# Altium PCB Notecarrier-XI_V4.PcbDoc (part 1 of 2) (continued)
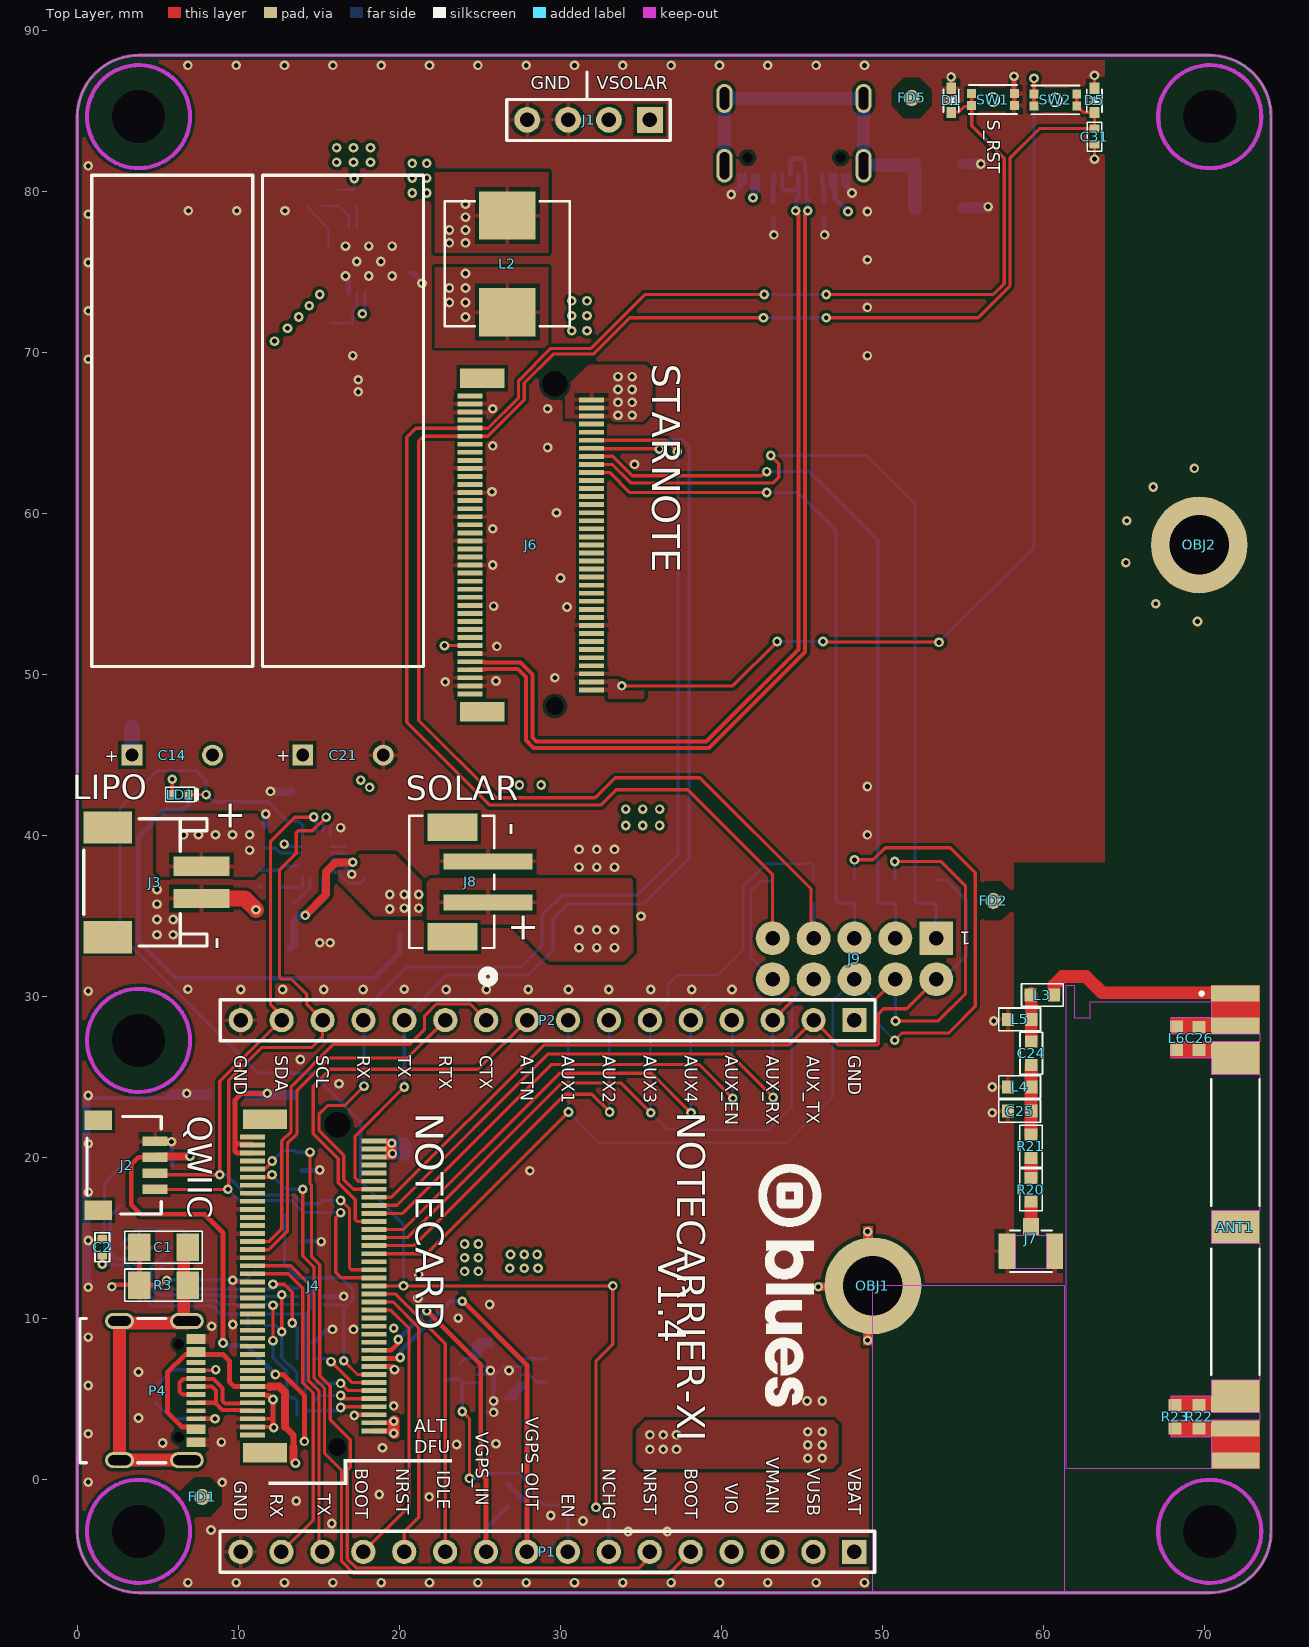
[diagram p0: Top Layer view]
## Footprints (in the part's own frame and the unit in brackets; to place one, negate y for a bottom-side part, rotate by r counter-clockwise, add the part's x,y. Pads: shape width x height; smd on the part's side, far side on the other; paste and mask are expansions set on the pad)
BCAP0010P300X12 [mm]
  rect 1.3x1.3 hole 0.8: 1(0,0)
  round 1.3 hole 0.8: 2(5,0)
  silkscreen extent -2.5,5.5 7.5,36, body extent -2.52,-0.4 7.47,35.5, height 10.2
C-0402 [mm] "Chip Capacitor; Body 1 x 0.5 mm (LxW typ)"
  rect 0.5x0.6 smd paste-0.025 mask+0.05: 1(-0.5,0) 2(0.5,0)
  silkscreen extent -0.9,-0.45 0.9,0.45, body extent -0.5,-0.27 0.5,0.29, height 0.5
C-0603 [mm]
  rect 0.75x0.8 smd paste-0.025: 1(-0.725,0) 2(0.725,0)
  silkscreen extent -1.3,-0.7 1.3,0.7, body extent -0.8,-0.48 0.8,0.44, height 0.8
C-0805 [mm]
  rect 0.9x1.2 smd paste-0.025: 1(-0.95,0) 2(0.95,0)
  silkscreen extent -1.6,-0.8 1.6,0.8, body extent -1,-0.6 1,0.6, height 0.94
C-1206 [mm]
  rect 1.4x1.7 smd paste-0.025 mask+0.08: 1(-1.5,0) 2(1.5,0)
  silkscreen extent -2.4,-1 2.4,1, body extent -1.65,-0.8 1.55,0.8, height 1.05
CONN2_B2B-PH-SM4_JST [mil]
  rect 39x217 smd paste+0: 1(-50,-88.74) 2(50,-88.74)
  rect 67x122 smd paste-61: M(-133.86,-1.85) M(133.86,-1.85)
  silkscreen extent -246,-104 162,104, body extent -156,-175 157,101, height 266
"CONN S2B-PH-SM4" [mm] "2.00 mm pitch wire to board side entry connector, SMD"
  rect 1.2x3.5 smd: 1(1,-2.75) 2(-1,-2.75)
  rect 2x3 smd: M(-3.4,3.063) M(3.4,3.063)
  silkscreen extent -3.95,-3.1 3.95,4.56, body extent -4,-4.05 3.9,4.55, height 5.6
CONN_12402012E212A [mm] "Amphenol USB C receptacle"
  round 0 hole 0.65 unplated: 0(-2.89,1.308) 0(2.89,1.308)
  rect 0.3x1.15 smd: A1(-3.35,2.373) A4(-2.55,2.373) A5(-1.25,2.373) A6(-0.25,2.373) A7(0.25,2.373) A8(1.25,2.373) A9(2.55,2.373) A12(3.35,2.373) B1(3.05,2.373) B4(2.25,2.373) B5(1.75,2.373) B6(0.75,2.373) B7(-0.75,2.373) B8(-1.75,2.373) B9(-2.25,2.373) B12(-3.05,2.373)
  oval 1x2.1 hole 0.6 slot 1.7 at 90 deg: M(-4.32,1.808) M(4.32,1.808)
  oval 1x2.1 smd: M(-4.32,1.808) M(4.32,1.808)
  oval 1x1.8 hole 0.6 slot 1.4 at 90 deg: M(-4.32,-2.372) M(4.32,-2.372)
  oval 0.6x1.4 smd: M(-4.32,-2.372)
  oval 1x1.8 smd: M(-4.32,-2.372) M(4.32,-2.372)
  silkscreen extent -4.48,-4.83 4.48,0.5, body extent -4.47,-4.98 4.47,2.62, height 3.32
DFN50P200X300x75-8T180X165 [mm] "DFN, 8-Leads, Body 3x2mm, Pitch 0.5mm"
  rrect50% 0.6x0.25 smd mask+0.05: 1(-1.4,0.75) 2(-1.4,0.25) 3(-1.4,-0.25) 4(-1.4,-0.75) 5(1.4,-0.75) 6(1.4,-0.25) 7(1.4,0.25) 8(1.4,0.75)
  rect 1.8x1.65 smd paste-5 mask+0.05: 9(0,0)
  silkscreen extent -1.85,-1.05 1.5,1.22, body extent -1.55,-1 1.55,1, height 1
DIO_DFLS1100-7 [mm]
  rect 1.05x1.5 smd: A(1.525,0)
  rect 2.4x1.5 smd: K(-0.85,0)
  silkscreen extent -2.9,-1.07 1.4,1.07, body extent -1.85,-0.89 1.85,0.89, height 1
DIO_FSV1045V [mil]
  rect 55x57 smd paste+0 mask+0: 1(41.34,-110.5) 2(-41.34,-110.5)
  rect 165x221 smd paste+0 mask+0: 3(0,34.5)
  silkscreen extent -96,-126 96,241, body extent -91,-131 91,131, height 49
DIST-WASMSIM0250#1 [mm]
  round 6 / inner round 1.524 / far side round 6 hole 3.7: 1(-0.019,0)
  round 6 smd paste-10: 1(0,0)
  body extent -2.55,-2.55 2.55,2.55, height 2.5
DIST-WASMSIM0250#2 [mm]
  round 6 / inner round 1.524 / far side round 6 hole 3.7: 1(0,0)
  round 6 smd paste-10: 1(0,0)
  body extent -2.55,-2.55 2.55,2.55, height 2.5
"Fiducial mark 1mm" [mm] "1 mm diameter"
  round 1 smd paste+0 mask+0.6: 1(0,0)
  Top Layer pour cut-out: -1.25,0.5 -0.5,1.25 0.5,1.25 1.25,0.5 1.25,-0.5 0.5,-1.25 -0.5,-1.25 -1.25,-0.5
"HEADER 2.54MM 1X4" [mm]
  rect 1.6x1.6 hole 0.9: 1(0,0)
  round 1.6 hole 0.9: 2(2.54,0) 3(5.08,0) 4(7.62,0)
  silkscreen extent -1.27,-1.27 8.89,1.27, body extent -1.22,-1.21 8.94,1.33, height 8.57
"Header 2.54mm 1X16" [mm] "2.54mm pitch single row wire to board connector"
  rect 1.5x1.5 hole 0.9: 1(0,0)
  round 1.5 hole 0.9: 2(2.54,0)
  round 1.5 hole 0.9 mask+0.05: 3(5.08,0) 4(7.62,0) 5(10.16,0) 6(12.7,0) 7(15.24,0) 8(17.78,0) 9(20.32,0) 10(22.86,0) 11(25.4,0) 12(27.94,0) 13(30.48,0) 14(33.02,0) 15(35.56,0) 16(38.1,0)
  silkscreen extent -1.27,-1.27 39.37,1.27, body extent -1.27,-1.28 39.37,1.26, height 8.54
HRS_U.FL-R-SMT-1(10) [mm]
  rect 1.05x2.2 smd: 1(-1.475,0) 3(1.475,0)
  rect 1x1.05 smd: 2(0,-1.525)
  Keep-Out Layer region: 0.95,-1 -0.95,-1 -0.95,1.1 0.95,1.1
  silkscreen extent -1.3,-1.3 1.3,1.3, body extent -1.55,-1.88 1.55,1.12, height 1.25
IND_SRP7050_BRN [mm]
  rect 3x3.5 smd paste+0 mask+0: 1(-3,0) 2(3,0)
  silkscreen extent -3.87,-3.87 3.87,3.87, body extent -4.1,-3.75 4.1,3.75, height 5.41
IND_XFL4020 [mm]
  rect 0.98x3.4 smd mask+0.05: 1(-1.185,0) 2(1.185,0)
  Top Layer pour cut-out: -0.7,-1.7 0.7,-1.7 0.7,1.7 -0.7,1.7
  silkscreen extent -2.15,-2.15 2.15,2.15, body extent -2.15,-2.15 2.15,2.15, height 2.11
J-5X2-0254-MDT [mm] "J-5X2-0254-MDT"
  rect 2.1x2.1 hole 0.9: 1(0,0)
  round 2.1 hole 0.9: 2(0,2.54) 3(2.54,0) 4(2.54,2.54) 5(5.08,0) 6(5.08,2.54) 7(7.62,0) 8(7.62,2.54) 9(10.16,0) 10(10.16,2.54)
  body extent -1.27,-1.27 11.43,3.81, height 8.51
"J-75-0050-MOS-M2 - STARNOTEIV3" [mm]
  rect 0.3x1.55 smd: 1(-9.25,3.775) 2(-9,-3.775) 3(-8.75,3.775) 4(-8.5,-3.775) 5(-8.25,3.775) 6(-8,-3.775) 7(-7.75,3.775) 8(-7.5,-3.775) 9(-7.25,3.775) 10(-7,-3.775) 11(-6.75,3.775) 12(-6.5,-3.775) 13(-6.25,3.775) 14(-6,-3.775) 15(-5.75,3.775) 16(-5.5,-3.775) 17(-5.25,3.775) 18(-5,-3.775) 19(-4.75,3.775) 20(-4.5,-3.775) 21(-4.25,3.775) 22(-4,-3.775) 23(-3.75,3.775) 24(-3.5,-3.775) 25(-3.25,3.775) 26(-3,-3.775) 27(-2.75,3.775) 28(-2.5,-3.775) 29(-2.25,3.775) 30(-2,-3.775) 31(-1.75,3.775) 32(-1.5,-3.775) 33(-1.25,3.775) 34(-1,-3.775) 35(-0.75,3.775) 36(-0.5,-3.775) 37(-0.25,3.775) 38(0,-3.775) 39(0.25,3.775) 40(0.5,-3.775) 41(0.75,3.775) 42(1,-3.775) 43(1.25,3.775) 44(1.5,-3.775) 45(1.75,3.775) 46(2,-3.775) 47(2.25,3.775) 48(2.5,-3.775) 49(2.75,3.775) 50(3,-3.775) 51(3.25,3.775) 52(3.5,-3.775) 53(3.75,3.775) 54(4,-3.775) 55(4.25,3.775) 56(4.5,-3.775) 57(4.75,3.775) 58(5,-3.775) 59(5.25,3.775) 60(5.5,-3.775) 61(5.75,3.775) 62(6,-3.775) 63(6.25,3.775) 64(6.5,-3.775) 65(6.75,3.775) 66(7,-3.775) 67(7.25,3.775) 68(7.5,-3.775) 69(7.75,3.775) 70(8,-3.775) 71(8.25,3.775) 72(8.5,-3.775) 73(8.75,3.775) 74(9,-3.775) 75(9.25,3.775)
  round 0 hole 1.1 unplated: AH(-10,-1.5)
  round 0 hole 1.6 unplated: AH(10,-1.5)
  rect 1.2x2.75 smd: ""(-10.35,3) ""(10.35,3)
  body extent -20.99,-41.93 28.32,4.22
"J-75-0050-MOS-M2 - TELITWIFIV2" [mm]
  rect 0.3x1.55 smd: 1(-9.25,3.775) 2(-9,-3.775) 3(-8.75,3.775) 4(-8.5,-3.775) 5(-8.25,3.775) 6(-8,-3.775) 7(-7.75,3.775) 8(-7.5,-3.775) 9(-7.25,3.775) 10(-7,-3.775) 11(-6.75,3.775) 12(-6.5,-3.775) 13(-6.25,3.775) 14(-6,-3.775) 15(-5.75,3.775) 16(-5.5,-3.775) 17(-5.25,3.775) 18(-5,-3.775) 19(-4.75,3.775) 20(-4.5,-3.775) 21(-4.25,3.775) 22(-4,-3.775) 23(-3.75,3.775) 24(-3.5,-3.775) 25(-3.25,3.775) 26(-3,-3.775) 27(-2.75,3.775) 28(-2.5,-3.775) 29(-2.25,3.775) 30(-2,-3.775) 31(-1.75,3.775) 32(-1.5,-3.775) 33(-1.25,3.775) 34(-1,-3.775) 35(-0.75,3.775) 36(-0.5,-3.775) 37(-0.25,3.775) 38(0,-3.775) 39(0.25,3.775) 40(0.5,-3.775) 41(0.75,3.775) 42(1,-3.775) 43(1.25,3.775) 44(1.5,-3.775) 45(1.75,3.775) 46(2,-3.775) 47(2.25,3.775) 48(2.5,-3.775) 49(2.75,3.775) 50(3,-3.775) 51(3.25,3.775) 52(3.5,-3.775) 53(3.75,3.775) 54(4,-3.775) 55(4.25,3.775) 56(4.5,-3.775) 57(4.75,3.775) 58(5,-3.775) 59(5.25,3.775) 60(5.5,-3.775) 61(5.75,3.775) 62(6,-3.775) 63(6.25,3.775) 64(6.5,-3.775) 65(6.75,3.775) 66(7,-3.775) 67(7.25,3.775) 68(7.5,-3.775) 69(7.75,3.775) 70(8,-3.775) 71(8.25,3.775) 72(8.5,-3.775) 73(8.75,3.775) 74(9,-3.775) 75(9.25,3.775)
  round 0 hole 1.1 unplated: AH(-10,-1.5)
  round 0 hole 1.6 unplated: AH(10,-1.5)
  rect 1.2x2.75 smd: ""(-10.35,3) ""(10.35,3)
  body extent -15.01,-41.95 14.99,4.21, height 5.6
J-NANOSIM-SF72S006VBA [mm]
  rect 0.9x0.7 smd: 1(1.46,-4.05) 2(-0.98,-4.05) 3(-3.42,-4.05) 5(1.56,-0.88) 6(-0.98,-0.88) 7(-3.52,-0.88)
  rect 0.45x2.9 smd: 8(-5.575,-4.75) 17(5.6,-4.75)
  rect 0.45x1.9 smd: 9(-5.575,0.1) 16(5.6,0.1)
  rect 0.7x0.7 smd: 10(-5.25,2.45)
  rect 0.75x0.7 smd: 11(-5.075,4.25)
  rect 1.4x0.5 smd: 12(-3.18,7.2) 14(1.22,7.2)
  rect 1.2x0.65 smd: 13(-1.53,6.125)
  rect 0.45x2.4 smd: 15(5.6,5.25)
  rect 0.6x0.6 smd: 18(0.24,-5.9) 19(-2.2,-5.9)
  Top Layer pour cut-out: 5.6,-6.65 -5.6,-6.65 -5.6,7.7 5.6,7.7
  silkscreen extent -5.8,-6.85 5.8,7.9, body extent -5.58,-7.43 5.64,7.62, height 1.25
"JST SM04B-SRSS-TB" [mm] "1.0mm pitch/Disconnectable Crimp style connector"
  rect 0.6x1.55 smd: 1(1.5,-2.032) 2(0.5,-2.032) 3(-0.5,-2.032) 4(-1.5,-2.032)
  rect 1.2x1.7 smd: M(-2.8,1.5) M(2.8,1.5)
  silkscreen extent -3.03,-2.41 3.03,2.2, body extent -3,-2.38 3,2.57, height 2.95
L-0603 [mm]
  rect 0.75x0.8 smd paste-0.025: 1(-0.725,0) 2(0.725,0)
  silkscreen extent -1.3,-0.7 1.3,0.7, body extent -0.8,-0.4 0.8,0.4, height 0.9
LED-0402 [mm]
  rect 0.5x0.6 smd paste-0.025 mask+0.05: 1(0.5,0) 2(-0.5,0)
  silkscreen extent -1.11,-0.45 0.9,0.45, body extent -0.5,-0.3 0.5,0.3, height 0.2
MN_0402_0603 [mm]
  rect 0.75x0.8 smd paste-0.025: 1(-0.725,0) 2(0.725,0)
  silkscreen extent -1.3,-0.7 1.3,0.7, body extent -0.8,-0.4 0.8,0.4, height 0.38
QFN40P300X150X80-18N [mm]
  rrect50% 0.775x0.2 smd mask+0.05: 1(-1.313,0.85) 5(-1.313,-0.85)
  rrect50% 0.2x0.7 smd mask+0.05: 1(-1.025,1.1) 5(-1.025,-1.1) 10(0.975,-1.1) 14(0.975,1.1)
  rrect50% 0.625x0.2 smd mask+0.05: 2(-1.388,0.393) 3(-1.388,-0.007) 4(-1.388,-0.407)
  rrect50% 0.2x0.6 smd mask+0.05: 6(-0.625,-1.15) 7(-0.225,-1.15)
  rrect50% 0.2x1 smd mask+0.05: 8(0.175,-0.95) 9(0.575,-0.95) 15(0.575,0.951) 16(0.175,0.951) 17(-0.225,0.951)
  rrect50% 0.825x0.2 smd mask+0.05: 10(1.288,-0.85) 14(1.288,0.85)
  rrect50% 0.6x0.2 smd mask+0.05: 11(1.4,-0.407) 12(1.4,-0.007) 13(1.4,0.393)
  rrect50% 0.2x0.619 smd mask+0.05: 18(-0.625,1.141)
  silkscreen extent -1.65,-1.4 1.65,1.4, body extent -1.5,-1.26 1.51,1.26, height 0.75
QFN50P400X500X80-21N-D [mm]
  rect 0.8x0.3 smd: 1(-2,1.25) 2(-2,0.75) 3(-2,0.25) 4(-2,-0.25) 5(-2,-0.75) 6(-2,-1.25) 11(2,-1.25) 12(2,-0.75) 13(2,-0.25) 14(2,0.25) 15(2,0.75) 16(2,1.25)
  rect 0.3x0.8 smd: 7(-0.75,-2.5) 8(-0.25,-2.5) 9(0.25,-2.5) 10(0.75,-2.5) 17(0.75,2.5) 18(0.25,2.5) 19(-0.25,2.5) 20(-0.75,2.5)
  rect 2.75x3.75 smd: 21(0,0)
  silkscreen extent -2.52,1.88 -2.28,2.13, body extent -2.05,-2.55 2.05,2.55, height 0.8
R-0402 [mm] "Chip Resistor; Body 1 x 0.5 mm (LxW typ)"
  rect 0.5x0.6 smd paste-0.025 mask+0.05: 1(-0.5,0) 2(0.5,0)
  silkscreen extent -0.9,-0.45 0.9,0.45, body extent -0.5,-0.25 0.5,0.25, height 0.38
R-0603 [mm]
  rect 0.75x0.8 smd paste-0.025: 1(-0.725,0) 2(0.725,0)
  silkscreen extent -1.3,-0.7 1.3,0.7, body extent -0.8,-0.4 0.8,0.4, height 0.38
R-1206 [mm]
  rect 1.4x1.7 smd paste-0.025 mask+0.08: 1(-1.5,0) 2(1.5,0)
  silkscreen extent -2.4,-1 2.4,1, body extent -1.55,-0.8 1.55,0.8, height 0.65
SOD-523F [mm] "SOD-523F"
  rect 0.7x0.6 smd mask+0.05: 1(-0.75,0) 2(0.75,0)
  silkscreen extent -0.7,-0.47 0.75,0.47, body extent -0.8,-0.4 0.8,0.4, height 0.7
SOT666 [mm]
  rect 0.3x0.99 smd: 1(-0.5,-0.805) 2(0,-0.805) 3(0.5,-0.805) 4(0.5,0.805) 5(0,0.805) 6(-0.5,0.805)
  silkscreen extent -1.1,-1.7 0.7,0, body extent -0.79,-0.8 0.8,0.8, height 0.6
SW_EVP-BB2A9B000 [mm] "SWITCH TACTILE SPST-NO 0.02A 15V SMD"
  rect 0.55x0.55 smd mask+0.1: 1(-1.325,-0.375) 1(-1.325,0.375) 2(1.325,-0.375) 2(1.325,0.375)
  Top Layer pour cut-out: -0.95,0.75 0.95,0.75 0.95,-0.75 -0.95,-0.75
  silkscreen extent -1.5,-0.9 1.5,0.9, body extent -1.5,-0.9 1.5,0.9, height 0.51
XCVR_NN03-310 [mm]
  rect 1x3 smd paste-3 mask+0: 1(-14.5,0) 2(-12.5,0) 6(12.5,0) 7(14.5,0)
  rect 2x3 smd paste-3 mask+0: 3(-10.5,0) 5(10.5,0)
  rect 2x3 smd: 4(0,0)
  Top Layer region: -9.5,-1.5 -10.5,-1.5 -10.5,-4 -11.5,-4 -11.5,1.5 -9.5,1.5
  Top Layer region: 11.5,-4 10.5,-4 10.5,-1.5 9.5,-1.5 9.5,1.5 11.5,1.5
  Top Layer region: 15,-1.5 13,-1.5 13,-4 12,-4 12,1.5 15,1.5
  Top Layer region: -12,-4 -13,-4 -13,-1.5 -15,-1.5 -15,1.5 -12,1.5
  Keep-Out Layer region: 12,-4 13,-4 13,-1.5 15,-1.5 15,-10.5 -15,-10.5 -15,-10 -13,-10 -13,-9 -14,-9 -14,-1.5 -13,-1.5 -13,-4 -12,-4 -12,1.5 -11.5,1.5 -11.5,-4 -10.5,-4 -10.5,-1.5 -9.5,-1.5 -9.5,1.5 -1,1.5 -1,-1.5 1,-1.5 1,1.5 9.5,1.5 9.5,-1.5 10.5,-1.5 10.5,-4 11.5,-4 11.5,1.5 12,1.5
  silkscreen extent -14.6,-2.2 9.18,1.5, body extent -15,-1.5 15,1.5, height 1.01

## Part data
ANT1: "Multiport top performance chip antenna component for GSM, UMTS, LTE, 5G, GNSS, Bluetooth (617 - 960MHz, 1710 - 2690MHz, 3300 - 3800MHz, 1561 - 1606 MHz and 2400 - 2500 MHz), signal booster", Manufacturer=IGNION, Package=-, Check_prices=https://www.snapeda.com/parts/NN03-310/Ignion/view-part/?ref=eda, Manufacturer Part Number=NN03-310, MF=Ignion, MP=NN03-310, Pkg Type=SMD, SnapEDA_Link=https://www.snapeda.com/parts/NN03-310/Ignion/view-part/?ref=snap
C1 C17: library part "C1206-10n-1000V-X7R - CS1206KKX7RCBB103", "Capacitor ceramic 10n ±10% X7R 1000V 1206", BL Part Number=2007-449, Manufacturer=YAGEO, Manufacturer Part Number=CS1206KKX7RCBB103, Supplier Part Number 1=311-3578-1-ND, Checked_By=Marsic, DateModified=03-05-2023, Drawn_By=Hamin, Supplier 1=Digi-Key
C2 C7: library part C0402-100n-16V-X7R, "Capacitor ceramic 100n ±10% X7R 16V 0402", BL Part Number=2000-908, Manufacturer="Murata Electronics", Manufacturer Part Number=GRM155R71C104KA88D, Package=0402, Supplier Part Number 1=490-3261-1-ND, Checked_By=Dodig, DateModified=27-08-2013, Drawn_By=Puskar, Pkg Type=SMD, Supplier 1=Digi-Key
C3 C4 C5: library part C0402-33p-50V-C0G-5, "Capacitor ceramic 33p ±5% C0G 50V 0402", BL Part Number=2001-377, Manufacturer="Samsung Electro-Mechanics", Manufacturer Part Number=CL05C330JB5NNNC, Package=0402, Supplier Part Number 1=1276-1272-1-ND, Checked_By=Dodig, DateModified=24-11-2013, Drawn_By=Puskar, Pkg Type=SMD, Supplier 1=Digi-Key
C6 C8: library part C0805-22u-16V-X5R, "Capacitor ceramic 22u ±10% X5R 16V 0805", BL Part Number=2006-222, Manufacturer="Samsung Electro-Mechanics", Manufacturer Part Number=CL21A226KOQNNNG, Package=0805, Checked_By=Hamin, DateModified=28-07-2022, Drawn_By=Fumic, Pkg Type=SMD
C9 C12: library part C1206-10u-35V-X7R, "Capacitor ceramic 10u ±10% X7R 35V 1206", Manufacturer="Taiyo Yuden", Manufacturer Part Number=GMK316AB7106KL-TR, Package=1206, Pkg Type=SMD, Supplier 1=Digi-Key
C10: library part C0402-47n-50V-X7R, "Capacitor ceramic 47n 10% X7R 50V 0402", BL Part Number=2003-965, Manufacturer=YAGEO, Manufacturer Part Number=CC0402KRX7R9BB473, Package=0402, Supplier Part Number 1=311-3815-2-ND, Checked_By=Hamin, DateModified=08-05-2018, Drawn_By=Hlupic, Pkg Type=SMD, Supplier 1=Digi-Key
C11: library part C0603-100n-50V-X7R, "Capacitor ceramic 100n ±10% X7R 50V 0603", Manufacturer=KEMET, Manufacturer Part Number=C0603C104K5RACTU, Package=0603, Pkg Type=SMD
C13 C15 C16 C18 C19 C20 C22: library part C1206-10u-16V-X7R, "Capacitor ceramic 10u ±10% X7R 16V 1206", BL Part Number=2000-447, Manufacturer="Samsung Electro-Mechanics", Manufacturer Part Number=CL31B106KOHNNNE, Package=1206, Supplier Part Number 1=1276-1137-1-ND, Checked_By=Zvonc, DateModified=04-07-2013, Drawn_By=Dodig, Pkg Type=SMD, Supplier 1=Digi-Key
C14 C21: "10 F  Capacitor 3 V Radial, Can 25mOhm", Manufacturer="Maxwell Technologies", Manufacturer Part Number="BCAP0010 P300 X12", Mouser Part Number=723-BCAP0010P300X12, Geometry.Height=10.5mm, Mouser Price/Stock=https://www.mouser.co.uk/ProductDetail/Maxwell-Technologies/BCAP0010-P300-X12?qs=hzBznG4dWXUp87%2FIMp%252BJ8w%3D%3D, Pkg Type=THT
C23: library part C0402-220p-50V-C0G-5, "Capacitor ceramic 220p ±5% C0G 50V 0402", Manufacturer="Murata Electronics", Manufacturer Part Number=GRM1555C1H221JA01D, Package=0402, Pkg Type=SMD
C24: library part MN_C0402_0603-2.2p-50V-C0G, "Capacitor ceramic 2.2p ±5% C0G 50V 0402", Manufacturer=Murata, Manufacturer Part Number=GJM1555C1H2R2WB01D
C25: library part MN_C0402_0603-1p-50V-C0G, "Capacitor ceramic 1p ±5% C0G 50V 0402", Manufacturer=Murata, Manufacturer Part Number=GJM1555C1H1R0WB01J
C26: library part MN_C0402_0603-0.5p-50V-C0G, "Capacitor ceramic 0.5p ±5% C0G 50V 0402", Manufacturer=Murata, Manufacturer Part Number=GJM1555C1HR50WB01D
C27 C30: library part C0603-4u7-10V-X5R, "Capacitor ceramic 4u7 ±10% X5R 10V 0603", BL Part Number=2003-721, Manufacturer="Samsung Electro-Mechanics", Manufacturer Part Number=CL10A475KP8NNNC, Package=0603, Checked_By=Marsic, DateModified=19-06-2023, Drawn_By=Hamin, Pkg Type=SMD
C28: library part C0805-10u-25V-X5R, "Capacitor ceramic 10u ±20% X5R 25V 0805", BL Part Number=2004-293, Manufacturer="Murata Electronics", Manufacturer Part Number=GRM21BR61E106MA73L, Package=0805, Supplier Part Number 1=490-10748-1-ND, Checked_By=Hamin, DateModified=23-01-2019, Drawn_By=Hlupic, Pkg Type=SMD, Supplier 1=Digi-Key
C29: library part C0402-100n-25V-X5R, "Capacitor ceramic 100n ±10% X5R 25V 0402", BL Part Number=2004-296, Manufacturer="Samsung Electro-Mechanics", Manufacturer Part Number=CL05A104KA5NNNC, Package=0402, Supplier Part Number 1=1276-1043-1-ND, Checked_By=Hamin, DateModified=24-01-2019, Drawn_By=PuskarJ, Pkg Type=SMD, Supplier 1=Digi-Key
C31: library part C0402-100n-16V-X7R, "Capacitor ceramic 100n ±10% X7R 16V 0402", Manufacturer=KEMET, Manufacturer Part Number=C0603C104K5RACTU, Package=0603, Pkg Type=SMD
D1 D5: "TVS DIODE 5VWM 8VC SOD523", BL Part Number=2004-110, Manufacturer=Nexperia, Supplier Part Number 1=1727-5906-1-ND, Checked_By=Hamin, DateModified=17-10-2018, Drawn_By=Zvonc, Manufacturer Part Number=PESD5V0X1UB,135, Supplier 1=Digi-Key
D2: "Diode Schottky 10A 45V TO2773", Manufacturer=onsemi, Package=TO-2773, Manufacturer Part Number=FSV1045V, Pkg Type=SMD
D3 D4: "Diode Schottky 1A 100V PowerDI 123", Manufacturer="Diodes Inc.", Package=POWERDI123, Manufacturer Part Number=DFLS1100-7, Pkg Type=SMD
FD1 FD2 FD3 FD4 FD5 FD6: BL Part Number=N/A, Checked_By=Dodig, DateModified=17-06-2013, Drawn_By=Puskar, Manufacturer=N/A, Manufacturer Part Number=N/A
J1: library part "Conn Header 2.54mm 1X4", "2.54mm pitch 4 pin (1x4) top entry wire to board connector THT", BL Part Number=2001-524, Manufacturer=N/A, Checked_By=Dodig, DateModified=29-01-2024, Drawn_By=Puskar, Manufacturer Part Number=N/A
J2: "CONN HEADER SH 4POS SIDE 1MM TIN", BL Part Number=2002-058, Manufacturer="JST Sales America Inc.", Supplier Part Number 1=455-1804-1-ND, Drawn_By="Blues Wireless", Manufacturer Part Number=SM04B-SRSS-TB(LF)(SN), Supplier 1=Digi-Key
J3: library part "Conn S2B-PH-SM4-K-TB", "2.00mm pitch 2 pin side entry wire to board connector, SMD", BL Part Number=2007-662, Manufacturer=JST, Manufacturer Part Number=S2B-PH-SM4-K-TB(LF)(SN), DateModified=19-06-2023, Drawn_By=Hamin, Supplier 1=Digi-Key
J4: library part TELITWIFIV2, "CONN. M.2 75P M/90° P=0.5 MDT420E01001 AMPHENOL SMT", BL Part Number=2007-460, Manufacturer="Amphenol ICC (FCI)", Manufacturer Part Number=MDT420E03001, Supplier Part Number 1=MDT420E03001CT-ND, Drawn_By="Blues Wireless", Supplier 1=Digi-Key
J5: library part "NANOSIM - J-NANOSIM-SF72S006VBA", "CONN. NANOSIM 8P F/90° PUSH-PUSH SF72S006VBAR2500 JAE ELECTRONICS SMT", BL Part Number=2007-458, Manufacturer="JAE Electronics", Supplier Part Number 1=670-2967-1-ND, Drawn_By="Blues Wireless", Manufacturer Part Number=SF72S006VBDR2500, Supplier 1=Digi-Key
J6: library part STARNOTEI-V3, "CONN. M.2 75P M/90° P=0.5 MDT420E01001 AMPHENOL SMT", BL Part Number=2007-460, Manufacturer="Amphenol ICC (FCI)", Manufacturer Part Number=MDT420E03001, Supplier Part Number 1=MDT420E03001CT-ND, Drawn_By="Blues Wireless", Supplier 1=Digi-Key
J7: "U.FL Series 6 Ghz 50 Ohm Ultra-small SMT Coaxial Cable Receptacle", Manufacturer=Hirose, Package=-, Availability=Unavailable, Manufacturer Part Number=U.FL-R-SMT-1(10), Pkg Type=SMD, Price=None
J8: library part "Conn B2B-PH-SM4-TBT (LF)(SN)", "CONN HEADER SH 2POS VERT 2MM TIN", Manufacturer="JST Sales America Inc.", Manufacturer Part Number=B2B-PH-SM4-TBT, Pkg Type=SMD
J9: library part STRIP-J-5X2-0254-MDT, "STRIP 2P M/D DOPPIA FILA P=2.54 DORATO CH81802V100", Manufacturer=Samtec, MPN=TSW-105-07-F-D, Caratteristiche=5x2P, Database=01688, Distributor=FAE, Famiglia=CONNETTORE, Modello=STRIP, Pkg Type=THT, Price Distributor Cad=0,002
L1: library part "L0603-1u-20 MCKK1608T1R0MN", "Inductor 0603 1u ±20% 1.3A", BL Part Number=2003-989, Manufacturer="Taiyo Yuden", Supplier Part Number 1=587-5973-1-ND, Checked_By=Hlupic, DateModified=30-01-2020, Drawn_By=Fumic, Manufacturer Part Number=MCKK1608T1R0MN, Supplier 1=Digi-Key
L2: "3.3 µH Inductor Shielded 11.5 A 15mohm max", Manufacturer="Bourns Electronics", Package="7.90mm x 7.30mm", Manufacturer Part Number=SRP7050WA-3R3M, Pkg Type=SMD, Type="Fixed Inductors"
L3: library part MN_L0402_0603-2.3nH, "2.3 nH Inductor 2.53 A 22mOhm Max 0402", Manufacturer=Murata, Manufacturer Part Number=LQW15AN2N3G80D
L4: library part MN_L0402_0603-10nH, "10 nH Inductor 1.6 A 52mOhm Max 0603", Manufacturer=Murata, Manufacturer Part Number=LQW18AN10NG80D
L5: library part MN_L0402_0603-8.4nH, "8.4 nH Inductor 1.6 A 52mOhm Max 0603", Manufacturer=Murata, Manufacturer Part Number=LQW18AN8N4G80D
L6: library part MN_L0402_0603-12nH, "12 nH Inductor 1.6 A 52mOhm Max 0603", Manufacturer=Murata, Manufacturer Part Number=LQW18AN12NG80D
L7: library part "Inductor XFL4020-152MEC", "Inductor 1u5 ±20% 4.6A SMD", BL Part Number=2006-846, Manufacturer=Coilcraft, Checked_By=Hlupic, DateModified=29-09-2022, Drawn_By=Marsic, Manufacturer Part Number=XFL4020-152MEC, Pkg Type=SMD
LD1: library part LED_SML-P12WTT86R, "LED YELLOW CLEAR 0402 SMD", BL Part Number=2007-660, Manufacturer="ROHM Semiconductor", Checked_By=Hamin, DateModified=19-06-23, Drawn_By=Hamin, Manufacturer Part Number=SML-P12WTT86R, Pkg Type=SMD
OBJ1 OBJ2: library part "DISTANZIALE - M2.5x0250", "DISTANZ. CIL. METALLO 5.1X2.5 9774025151R W.E SMT", BL Part Number=6020-113, Manufacturer="Würth Elektronik", Supplier Part Number 1=732-7078-1-ND, Drawn_By="Blues Wieless", Manufacturer Part Number=9774025151R, Supplier 1=Digi-Key
P1 P2: library part "Conn Header 2.54mm 1X16", "2.54mm pitch 16 pin (1x16) top entry wire to board connector THT", BL Part Number=2001-478, Manufacturer=N/A, Checked_By=Hamin, DateModified=07-12-2013, Drawn_By=Puskar, Manufacturer Part Number=N/A
P4 P5: library part "Conn USB C 12402012E212A", "CONN RCP USB2.0 TYP C 24P SMD RA", BL Part Number=2008-437, Manufacturer=Amphenol, Supplier Part Number 1=664-12402012E212ATR-ND, Checked_By=Hlupic, DateModified=19-03-2024, Drawn_By=Anic-Ivicic, Manufacturer Part Number=12402012E212A, Supplier 1=Digi-Key
R1 R2 R15 R16: library part R0402-5k1-1, "Resistor 5k1 ±1% 0402", BL Part Number=2004-098, Manufacturer=YAGEO, Manufacturer Part Number=RC0402FR-075K1L, Package=0402, Supplier Part Number 1=P5.10KLCT-ND, Checked_By=Hamin, DateModified=21-09-2018, Drawn_By=PuskarJ, Pkg Type=SMD, Supplier 1=Digi-Key
R3 R17: library part R1206-1M-1, "Resistor 1M ±1% 1206", BL Part Number=2001-438, Manufacturer="TE Connectivity Passive Product", Manufacturer Part Number=CRG1206F1M0, Package=1206, Checked_By=Golubic, DateModified=01-07-2014, Drawn_By=Zvonc, Pkg Type=SMD
R4 R10 R24 R25 R26 R27 R28: library part R0603-0R0, "Resistor 0R0 0603", BL Part Number=2000-723, Manufacturer=YAGEO, Manufacturer Part Number=RC0603JR-070RL, Package=0603, Checked_By=Puskar, DateModified=07-12-2013, Drawn_By=Dodig, Pkg Type=SMD
R5 R6 R8: library part R0402-22R-1, "Resistor 22R ±1% 0402", BL Part Number=2001-170, Manufacturer=YAGEO, Manufacturer Part Number=RC0402FR-0722RL, Package=0402, Supplier Part Number 1=311-22.0LRCT-ND, Checked_By=Hamin, DateModified=13-02-2021, Drawn_By=Zvonc, Pkg Type=SMD, Supplier 1=Digi-Key
R7 R32: library part R0402-15k-1, "Resistor 15k ±1% 0402", BL Part Number=2001-157, Manufacturer="Panasonic Electronic Components", Manufacturer Part Number=ERJ-2RKF1502X, Package=0402, Supplier Part Number 1=P15.0KLCT-ND, Checked_By=Zvonc, DateModified=23-01-2015, Drawn_By=Puskar, Pkg Type=SMD, Supplier 1=Digi-Key
R9: library part R0402-10M-1, "Resistor 10M ±1% 0402", BL Part Number=2002-832, Manufacturer=YAGEO, Manufacturer Part Number=RC0402FR-0710ML, Package=0402, Checked_By=Dodig, DateModified=24-05-2016, Drawn_By=Zvonc, Pkg Type=SMD, Supplier 1=Digi-Key, Supplier Part Number 1=RC0402FR-0710ML
R11 R14: library part R0402-100k-1, "Resistor 100k ±1% 0402", Manufacturer=YAGEO, Manufacturer Part Number=RC0402FR-07100KL, Package=0402, Pkg Type=SMD
R12: library part R0402-732k-1, "Resistor 732k ±1% 0402", Manufacturer=YAGEO, Manufacturer Part Number=RC0402FR-07732KL, Package=0402, Pkg Type=SMD
R18: library part R0402-7k32-1, "Resistor 7k32 ±1% 0402", Manufacturer=YAGEO, Manufacturer Part Number=RC0402FR-077K32L, Package=0402, Pkg Type=SMD, Supplier 1=Digi-Key
R19: library part R0402-135k-1, "Resistor 135k ±1% 0402", Manufacturer="KOA Speer Electronics, Inc.", Manufacturer Part Number=RN73H1ETTP1353F50, Package=0402, Pkg Type=SMD, Supplier 1=Digi-Key
R20 R21 R22 R23: library part MN_R0603-0R0, "Resistor 0R0 0603", Manufacturer=YAGEO, Manufacturer Part Number=RC0603JR-070RL, Pkg Type=SMD
R29 R30: library part R0402-3k-1, "Resistor 3k ±1% 0402", BL Part Number=2001-570, Manufacturer=YAGEO, Manufacturer Part Number=-, Package=0402, Checked_By=Hamin, DateModified=06-09-2021, Drawn_By=Fumic, Pkg Type=SMD
R31: library part R0402-11k-1, "Resistor 11k ±1% 0402", BL Part Number=2004-237, Manufacturer=N/A, Package=0402, Checked_By=Marsic, DateModified=18-12-2018, Drawn_By=PuskarJ, Manufacturer Part Number=N/A, Pkg Type=SMD
SW1 SW2: library part "Switch tact EVP-BB2A9B000", "SWITCH TACTILE SPST-NO 0.05A 15V", BL Part Number=2007-124, Manufacturer="Panasonic Electronic Components", DateModified=09-02-2023, Drawn_By=Marsic, Manufacturer Part Number=EVP-BB2A9B000
TVS1: "PESD Series 25 W 5 V Uni-Directional Fivefold ESD Protection Diode Array SOT-666", BL Part Number=2007-452, Manufacturer=Nexperia, Supplier Part Number 1=1727-5797-1-ND, Drawn_By="Blues Wireless", Manufacturer Part Number=PESD5V0L5UV,125, Supplier 1=Digi-Key
U1: "IC CON BUCK-BOOST ADJ 0.5A DFN-8", BL Part Number=2008-968, Manufacturer=Renesas, DateModified=19-11-2024, Drawn_By=Marsic, Manufacturer Part Number=ISL9122AIRNZ-T
U2: "IC REG BuckBoost Supercapacitor Charger and Balancer ADJ 3A 20QFN", Manufacturer="Analog Devices", Package=QFN20, Datasheet Link=https://www.analog.com/en/products/ltc3128.html, Geometry.Height=0.8mm, Manufacturer Part Number=LTC3128EUFD#PBF, Pkg Type=SMD
U3: "IC LI-ION CHARGE MGMT 16-QFN", BL Part Number=2008-206, Manufacturer="Texas Instruments", Supplier Part Number 1="296-BQ25628ERYKRCT-ND - Cut Tape (CT)", DateModified=17-01-2024, Drawn_By=Marsic, Manufacturer Part Number=BQ25628ERYKR, Pkg Type=SMD, Supplier 1=Digi-Key

## Free pads (board coordinates)
  round 0 hole 3.3 unplated: M(3.81,-3.19) M(3.81,27.29) M(3.81,84.64) M(70.305,84.64) M(70.305,-3.19)

## Via types
v1: diameter 0.6, hole 0.3, Top Layer to Bottom Layer, tented both sides, 352 vias
v2: diameter 0.6, hole 0.3, Top Layer to Bottom Layer, 10 vias

## Nets (pads, with @x,y where several pads share a name; then routed paths per layer and width w, separated by ;. In a path a pad name is that pad's centre, name@x,y a point inside that pad or via, vN(x,y) a via of type N, cw(c..) or ccw(c..) an arc to the next point about the centre after c; other vN are vias at no path point)
+VACT_GPS_IN: J4.22 P1.10 R4.1 | length 24.3
  Top Layer w0.3: J4.22@18.425,8.05 19.5,8.05 19.868,8.418 19.868,8.667 v1(19.926,8.724) ; v1(21.7,10.5) 25.05,7.15 25.05,0.4 25.38,0.07 P1.10@25.38,-4.46
  Bottom Layer w0.3: v1(19.926,8.724) 19.926,8.726 v1(21.7,10.5) ; P1.10@25.38,-4.46 25.38,-2.995 R4.1@26.7,-1.675
+VACT_GPS_OUT: J4.20 P1.9 R4.2 | length 29.2
  Top Layer w0.3: J4.20@18.425,7.55 20,7.55 v1(20.05,7.6) ; v1(23.9,11.1) 23.95,11.1 27.92,7.13 P1.9@27.92,-4.46
  Bottom Layer w0.3: v1(20.05,7.6) 20.08,7.63 20.08,8.03 23.15,11.1 v1(23.9,11.1) ; R4.2@26.7,-0.225 27.92,-1.445 P1.9@27.92,-4.46
+VBAT: C27.2 J3.1 P1.1 U3.8 | length 2.3
  Bottom Layer w0.2: C27.2@11.7,39.225 12.297,39.225 12.597,38.925 U3.8@13.9,38.925
  other v1: 24.05,12.95 24.9,12.95 24.05,13.8 24.9,13.8 24.05,14.65 24.9,14.65 10.7,39.105 6.6,40.05 7.528,40.055 8.585,40.055 9.643,40.055 10.7,40.055
+VBUS: C11.2 C12.1 D2.3 D3.K D4.K R29.2 U3.18 | length 31.2
  Bottom Layer w0.2: U3.18@15.991,38.125 16.547,38.125 17.042,37.63 v1(17.042,37.602)
  Bottom Layer w0.3: R29.2@6.9,42.55 6.9,41.9 6.6,41.6 5.5,41.6 3.8,39.9 3.8,33.466 6.116,31.15 18.45,31.15 20,32.7 C12.1@20,33.85
  other v1: 19.4,35.45 20.3,35.5 21.2,35.5 19.4,36.35 20.3,36.35 21.2,36.35 30.7,71.35 31.65,71.35 30.7,72.275 31.65,72.275 30.7,73.2 31.65,73.2
+VIO: C8.2 J2.2 J4.2 J4.4 J6.2 J6.4 P1.4 SW2.2 U1.4 | length 91
  Top Layer w0.2: v1(33.8,49.3) 40.7,49.3 v1(43.45,52.05) ; v1(46.3,52.05) 46.325,52.025 53.475,52.025 v1(53.5,52)
  Top Layer w0.254: SW2.2@59.4,85.3 SW2.2@59.4,86.05 v1(59.401,87.014)
  Top Layer w0.3: J2.2@4.837,20.04 3.79,20.04 3.35,19.6 3.35,17.1 3.95,16.5 7.9,16.5 9.05,15.35 v1(9.05,8.5) v1@9.05,8.35 ; v1(12.3,6.55) 12.8,6.55 14.1,5.25 14.1,2.55 v1@14.25,2.4 ; J4.2@18.425,3.05 v1@19.4,3.05 ; J4.4@18.425,3.55 v1@19.4,3.55
  Top Layer w0.5: J2.2@4.9,20 4.981,20.081 6.981,20.081 v1(7,20.1)
  Bottom Layer w0.2: v1(43.45,52.05) v1(46.3,52.05) ; v1(53.5,52) 59.401,57.901 v1(59.401,87.014)
  Bottom Layer w0.3: v1@9.05,8.35 10.5,8.35 v1(12.3,6.55)
  other v1: 14.1,2.4 19.65,2.9 19.65,3.65
+VMAIN: C6.2 C13.1 C16.2 C18.2 C19.2 J4.70 J4.72 J4.74 L7.2 P1.3 R9.1 U1.8 U2.4 U2.7 U2.9 U3.9 | length 5.1
  Bottom Layer w0.2: v1(12.85,39.475) 12.958,39.475 13.108,39.325 U3.9@13.9,39.325 ; v1(17.7,72.4) 17.85,72.55 U2.4@17.85,73.7 ; R9.1@23.75,7.25 24.05,7.55 U1.8@24.8,7.55 24.8,8.25 C6.2@25.35,8.8
  Bottom Layer w0.8: P1.3@43.15,-4.45 P1.3@43.16,-4.46
  other v1: 26.85,13.15 27.75,13.15 28.6,13.15 26.9,14 27.75,14 28.55,14 19.562,20.262 19.527,20.908 18.15,43 17.6,43.45 12.25,70.7 13.05,71.5 13.75,72.2 14.4,72.9 15.05,73.6
+VMODEM: J6.70 J6.72 J6.74 R10.2
  other v1: 33.571,66.1 34.45,66.1 33.571,66.9 34.45,66.9 33.571,67.7 34.45,67.7 33.571,68.5 34.45,68.5
+VSOLAR: C9.2 D2.1 D2.2 J1.1 J1.2 J8.1
  other v1: 31.15,33.05 32.25,33.05 33.35,33.05 31.15,34.15 32.25,34.15 33.35,34.15
+VUSB: D3.A J4.13 P1.2 P4.A4 P4.A9 P4.B4 P4.B9 | length 18.9
  Top Layer w0.2: 10.096,5.8 J4.13@10.875,5.8 11.95,5.8
  Top Layer w0.3: P4.B4@7.472,3.3 6.5,3.3 5.6,4.2 5.6,6.677 6.723,7.8 P4.B9@7.373,7.8 9.05,7.8 9.45,7.4 9.45,6.1 9.75,5.8 10.096,5.8
  Top Layer w0.4: 12.9,3.3 13.425,2.775 13.425,2.05
  Top Layer w0.5: 11.95,5.8 12.55,5.8 12.9,5.45 12.9,3.3 ; 13.425,2.05 13.425,1.175 v1(13.55,1.05)
  other v1: 45.35,1.35 46.25,1.35 35.55,1.9 36.375,1.9 37.2,1.9 45.35,2.175 46.25,2.175 35.55,2.8 36.375,2.8 37.2,2.8 45.35,3 46.25,3 34.05,40.635 35.103,40.635 36.156,40.635 34.05,41.65 35.103,41.65 36.156,41.65
+VUSB_S: D4.A J6.13 P5.A4 P5.A9 P5.B4 P5.B9 | length 8.1
  Top Layer w0.2: v1(22.8,51.8) J6.13@24.375,51.8
  Bottom Layer w0.3: P5.A4@41.95,81.027 v1(41.95,79.6) 41.95,79.681 42.25,79.981 P5.B9@42.25,81.027 ; P5.B4@46.75,81.027 46.75,80.35 46.95,80.15 ; P5.A9@47.05,81.027 47.05,79.55 v1(47.85,78.75)
  other v1: 27.45,43.15 28.8,43.15
ALT_DFU_BOOT: J4.32 P1.13 | length 17.7
  Top Layer w0.2: P1.13@17.76,-4.46 20.6,-1.62 20.6,9.405 19.455,10.55 J4.32@18.425,10.55
ALT_DFU_IDLE: J4.36 P1.11 | length 18.6
  Top Layer w0.2: J4.36@18.425,11.55 19.75,11.55 22.84,8.46 P1.11@22.84,-4.44
ALT_DFU_NRESET: J4.34 P1.12 | length 17.7
  Top Layer w0.2: J4.34@18.425,11.05 19.605,11.05 21.2,9.455 21.2,-2.3 20.3,-3.2 P1.12@20.3,-4.46
ALT_DFU_RX: J4.41 P1.15 | length 20.9
  Top Layer w0.2: J4.41@10.875,12.8 13.1,12.8 14,11.9 14,6.05 14.65,5.4 14.65,-2.49 P1.15@12.68,-4.46
ALT_DFU_TX: J4.43 P1.14 | length 21
  Top Layer w0.2: J4.43@10.875,13.3 13.25,13.3 14.35,12.2 14.35,6.195 15,5.545 15,-4.24 P1.14@15.22,-4.46
ATTN: J4.54 P2.9 | length 25.6
  Top Layer w0.2: J4.54@18.425,16.05 17.37,16.05 17.253,16.167 17.253,17.397 16.2,18.45 16.2,19.95 14.65,21.5 14.65,24.45 15.7,25.5 24.88,25.5 P2.9@27.93,28.55
AUX1: J4.46 J9.6 P2.8 R26.2 | length 76.3
  Top Layer w0.2: J4.46@18.425,14.05 21.7,14.05 v1(30.5,22.85) ; v1(48.25,38.5) 49.4,38.5 50.15,39.25 54.2,39.25 55.75,37.7 55.75,29.4 54.1,27.75 51.2,27.75 v1(50.75,27.3)
  Bottom Layer w0.15: P2.8@30.45,28.53 30.485,28.495 30.485,22.865 v1(30.5,22.85) 32.4,20.95 44.05,20.95 46.9,23.8 46.9,29.74 J9.6@48.31,31.15 ; R26.2@48.25,37.25 v1(48.25,38.5) ; J9.6@48.3,30.95 48.39,30.95 49.644,29.696 49.644,28.406 v1(50.75,27.3)
AUX2: J4.48 P2.7 | length 24.7
  Top Layer w0.2: J4.48@18.425,14.55 20.9,14.55 30.3,23.95 31.95,23.95 v1(33.05,22.85)
  Bottom Layer w0.15: P2.7@33,28.54 33.03,28.51 33.03,22.87 v1(33.05,22.85)
AUX3: J4.50 J9.8 P2.6 R27.2 | length 64.4
  Top Layer w0.2: J4.50@18.425,15.05 20.495,15.05 30.095,24.65 33.75,24.65 v1(35.6,22.8)
  Bottom Layer w0.15: P2.6@35.4,28.6 35.65,28.6 36.65,29.6 36.65,30.75 37.25,31.35 39.75,31.35 41.35,32.95 41.35,36.85 42.75,38.25 45.612,38.25 45.7,38.162 R27.2@45.7,37.25 ; P2.6@35.55,28.45 35.575,28.425 35.575,22.825 v1(35.6,22.8) 36.65,21.75 42.95,21.75 44.35,23.15 44.35,29.73 45.87,31.25 J9.8@46,31.25
AUX4: J4.52 J9.10 P2.5 R28.2 | length 44.3
  Top Layer w0.2: J4.52@18.425,15.55 20.25,15.55 29.95,25.25 35.65,25.25 v1(38.1,22.8)
  Bottom Layer w0.15: v1(38.1,22.8) 38.095,22.805 38.095,28.545 P2.5@38.09,28.55 39.303,29.763 41.843,29.763 J9.10@43.18,31.1 ; J9.10@43.17,31.09 41.8,32.46 41.8,36.55 42.463,37.213 43.163,37.213 R28.2@43.2,37.25
AUX_EN: J4.56 P2.4 | length 31.9
  Top Layer w0.2: J4.56@18.425,16.55 20.2,16.55 29.45,25.8 38.6,25.8 v1(40.7,23.7)
  Bottom Layer w0.15: P2.4@40.63,28.55 40.665,28.515 40.665,23.735 v1(40.7,23.7)